# KiCad board Clavier.kicad_pcb (continued)
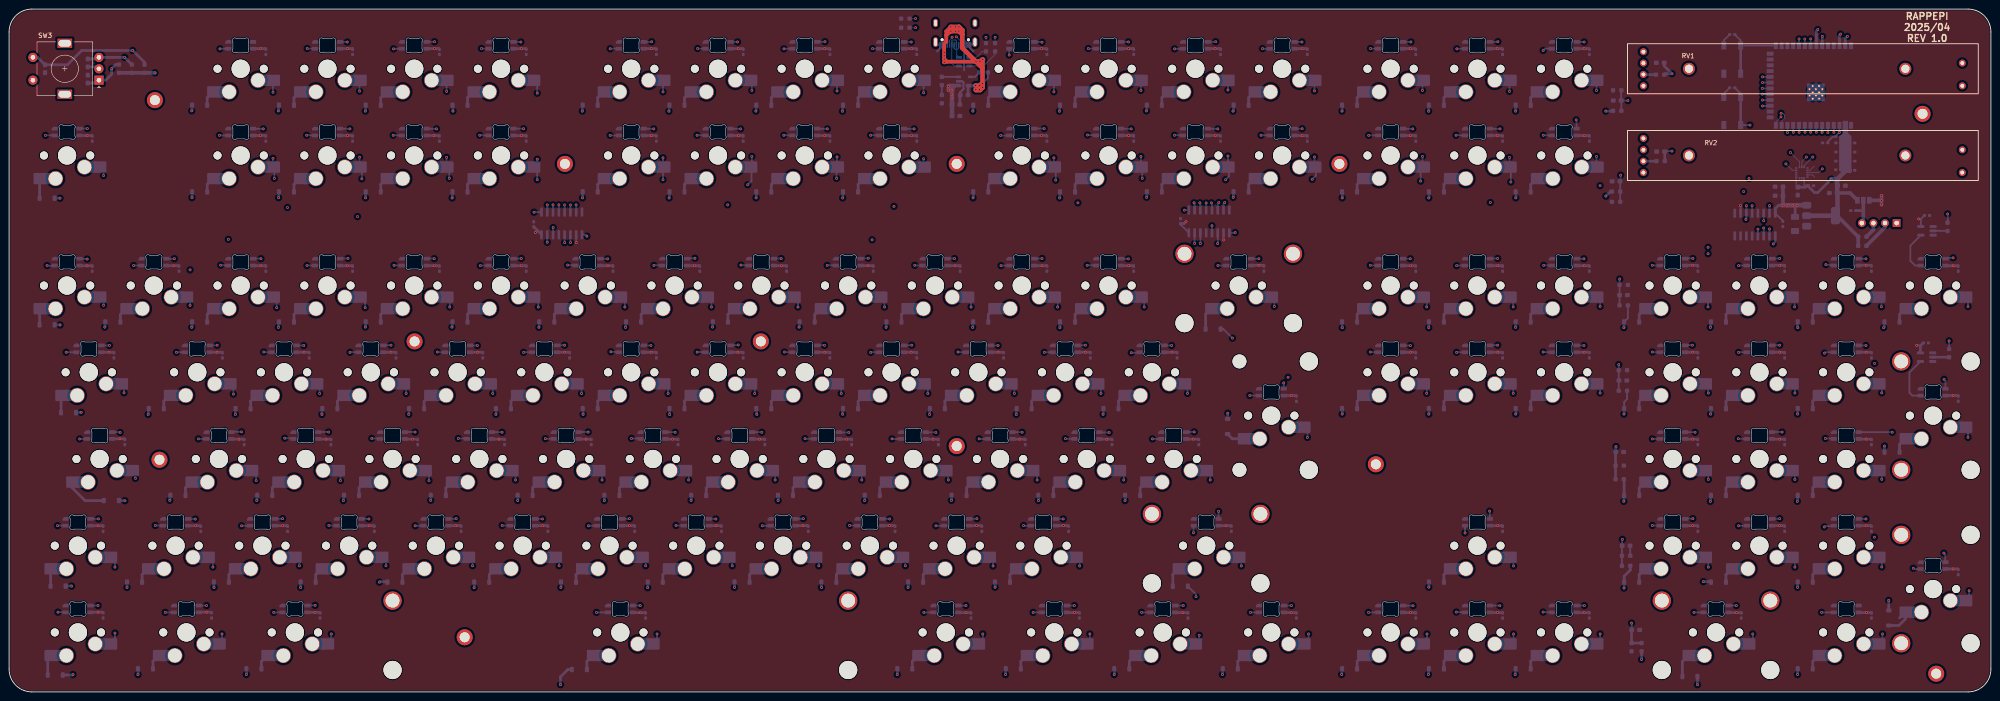
[diagram p0: board, top side]
## Nets (continued)
GND: C1.1 C2.1 C3.1 C4.1 C5.1 C6.1 C7.1 C8.1 C9.1 C10.1 C11.1 C12.1 C13.1 C14.1 C15.1 C16.1 C17.1 C18.1 C19.1 C20.1 C21.1 C22.1 C23.1 C24.1 C25.1 C26.1 C27.1 C28.1 C29.1 C30.1 C31.1 C32.1 C33.1 C34.1 C35.1 C36.1 C37.1 C38.1 C39.1 C40.1 C41.1 C42.1 C43.1 C44.1 C45.1 C46.1 C47.1 C48.1 C49.1 C50.1 C51.1 C52.1 C53.1 C54.1 C55.1 C56.1 C57.1 C58.1 C59.1 C60.1 C61.1 C62.1 C63.1 C64.1 C65.1 C66.1 C67.1 C68.1 C69.1 C70.1 C71.1 C72.1 C73.1 C74.1 C75.1 C76.1 C77.1 C78.1 C79.1 C80.1 C81.1 C82.1 C83.1 C84.1 C85.1 C86.1 C87.1 C88.1 C89.1 C90.1 C91.1 C92.1 C93.1 C94.1 C95.1 C96.1 C97.1 C98.1 C99.1 C100.1 C101.1 C102.1 C103.1 C104.1 C105.1 C106.1 C107.1 C108.1 C109.1 C110.1 C111.1 C112.1 C113.1 C114.1 C115.1 C116.1 C117.1 C118.1 C119.1 C120.1 C121.2 C122.2 C123.2 C124.2 C125.2 C126.2 C127.2 C128.2 C129.2 C130.2 C131.2 C132.2 C133.2 C134.2 C135.1 C136.1 C137.1 C138.2 C139.2 C140.2 C141.2 C142.2 C143.2 C144.2 C145.2 C146.2 C147.2 C148.2 C149.2 C150.1 C151.1 C152.2 C153.2 C154.2 C155.2 C156.2 C157.2 C158.2 C159.2 H1.1 H2.1 H3.1 H4.1 H5.1 H6.1 H7.1 H8.1 H9.1 H10.1 H11.1 H12.1 J1.A1 J1.A12 J1.B1 J1.B12 J1.S1 J2.1 LED1.4 LED2.4 LED3.4 LED4.4 LED5.4 LED6.4 LED7.4 LED8.4 LED9.4 LED10.4 LED11.4 LED12.4 LED13.4 LED14.4 LED15.4 LED16.4 LED17.4 LED18.4 LED19.4 LED20.4 LED21.4 LED22.4 LED23.4 LED24.4 LED25.4 LED26.4 LED27.4 LED28.4 LED29.4 LED30.4 LED31.4 LED32.4 LED33.4 LED34.4 LED35.4 LED36.4 LED37.4 LED38.4 LED39.4 LED40.4 LED41.4 LED42.4 LED43.4 LED44.4 LED45.4 LED46.4 LED47.4 LED48.4 LED49.4 LED50.4 LED51.4 LED52.4 LED53.4 LED54.4 LED55.4 LED56.4 LED57.4 LED58.4 LED59.4 LED60.4 LED61.4 LED62.4 LED63.4 LED64.4 LED65.4 LED66.4 LED67.4 LED68.4 LED69.4 LED70.4 LED71.4 LED72.4 LED73.4 LED74.4 LED75.4 LED76.4 LED77.4 LED78.4 LED79.4 LED80.4 LED81.4 LED82.4 LED83.4 LED84.4 LED85.4 LED86.4 LED87.4 LED88.4 LED89.4 LED90.4 LED91.4 LED92.4 LED93.4 LED94.4 LED95.4 LED96.4 LED97.4 LED98.4 LED99.4 LED100.4 LED101.4 LED102.4 LED103.4 LED104.4 LED105.4 LED106.4 LED107.4 LED108.4 LED109.4 LED110.4 LED111.4 LED112.4 LED113.4 LED114.4 LED115.4 LED116.4 LED117.4 LED118.4 LED119.4 LED120.4 R2.1 R3.1 R6.2 R8.2 R10.2 R12.2 R14.2 R16.2 R18.2 R29.2 RV1.4 RV1.MP RV2.4 RV2.MP SW1.1 SW2.1 SW3.C SW3.MP SW3.S2 U1.1 U1.40 U1.41 U2.1 U3.8 U3.13 U4.8 U4.13 U5.8 U5.13 U6.2 U7.1 U7.3 U8.1 U8.3 U10.5 U10.10 U10.12 U11.2
ACCEL_INT1: U1.4 U10.11
BOOT: C129.1 SW1.2 U1.27
Column 1: MX16.1 MX32.1 MX53.1 MX74.1 MX90.1 MX108.1 U3.15
Column 2: MX33.1 MX54.1 MX75.1 MX91.1 MX109.1 U3.1
Column 3: MX1.1 MX17.1 MX34.1 MX55.1 MX76.1 MX92.1 MX110.1 U3.2
Column 4: MX2.1 MX18.1 MX35.1 MX56.1 MX77.1 MX93.1 U3.3
Column 5: MX3.1 MX19.1 MX36.1 MX57.1 MX78.1 MX94.1 U3.4
Column 6: MX4.1 MX20.1 MX37.1 MX58.1 MX79.1 MX95.1 U3.5
Column 7: MX5.1 MX21.1 MX38.1 MX59.1 MX80.1 MX96.1 MX111.1 U3.6
Column 8: MX6.1 MX22.1 MX39.1 MX60.1 MX81.1 MX97.1 U3.7
Column 9: MX7.1 MX23.1 MX40.1 MX61.1 MX82.1 MX98.1 U4.15
Column 10: MX8.1 MX24.1 MX41.1 MX62.1 MX83.1 MX99.1 U4.1
Column 11: MX9.1 MX25.1 MX42.1 MX63.1 MX84.1 MX100.1 MX112.1 U4.2
Column 12: MX10.1 MX26.1 MX43.1 MX64.1 MX85.1 MX101.1 MX113.1 U4.3
Column 13: MX11.1 MX27.1 MX44.1 MX65.1 MX86.1 MX102.1 MX114.1 U4.4
Column 14: MX12.1 MX28.1 MX45.1 MX66.1 MX115.1 U4.5
Column 15: MX13.1 MX29.1 MX46.1 MX67.1 MX116.1 U4.6
Column 16: MX14.1 MX30.1 MX47.1 MX68.1 MX103.1 MX117.1 U4.7
Column 17: MX15.1 MX31.1 MX48.1 MX69.1 MX118.1 U5.15
Column 18: MX49.1 MX70.1 MX87.1 MX104.1 MX119.1 U5.1
Column 19: MX50.1 MX71.1 MX88.1 MX105.1 U5.2
Column 20: MX51.1 MX72.1 MX89.1 MX106.1 MX120.1 U5.3
Column 21: MX52.1 MX73.1 MX107.1 U5.4
D+: R20.1 U1.14
D-: R21.1 U1.13
EN: C121.1 C130.1 R1.2 SW2.2 U1.3
GPIO1: J2.3 R26.2 U1.39
GPIO2: J2.2 R31.2 U1.38
LED Data 1: R19.2 U1.35
LED Data 2: R22.2 U1.34
POT 1: C148.1 R4.1 U1.18
POT 2: C149.1 R27.2 U1.17
RE_A: C139.1 R24.1 SW3.A U1.33
RE_B: C140.1 R25.1 SW3.B U1.32
RE_S: C138.1 R23.2 SW3.S1 U1.31
Row 1: C141.1 R5.2 R6.1 U1.22
Row 2: C142.1 R7.2 R8.1 U1.21
Row 3: C143.1 R9.2 R10.1 U1.20
Row 4: C144.1 R11.2 R12.1 U1.19
Row 5: C145.1 R13.2 R14.1 U1.12
Row 6: C146.1 R15.2 R16.1 U1.11
Row 7: C147.1 R17.2 R18.1 U1.10
SPI_CLK: U1.8 U3.11 U4.11 U5.11 U10.4
SPI_CS_ACCEL: U1.5 U10.8
SPI_CS_SR: U1.7 U3.12 U4.12 U5.12
SPI_MISO: U1.6 U10.7
SPI_MOSI: U1.9 U3.14 U10.6
Net-(D1-A): D1.2 MX1.2
Net-(D1-K): D1.1 D2.1 D3.1 D4.1 D5.1 D6.1 D7.1 D8.1 D9.1 D10.1 D11.1 D12.1 D13.1 D14.1 D15.1 R5.1
Net-(D2-A): D2.2 MX2.2
Net-(D3-A): D3.2 MX3.2
Net-(D4-A): D4.2 MX4.2
Net-(D5-A): D5.2 MX5.2
Net-(D6-A): D6.2 MX6.2
Net-(D7-A): D7.2 MX7.2
Net-(D8-A): D8.2 MX8.2
Net-(D9-A): D9.2 MX9.2
Net-(D10-A): D10.2 MX10.2
Net-(D11-A): D11.2 MX11.2
Net-(D12-A): D12.2 MX12.2
Net-(D13-A): D13.2 MX13.2
Net-(D14-A): D14.2 MX14.2
Net-(D15-A): D15.2 MX15.2
Net-(D16-A): D16.2 MX16.2
Net-(D16-K): D16.1 D17.1 D18.1 D19.1 D20.1 D21.1 D22.1 D23.1 D24.1 D25.1 D26.1 D27.1 D28.1 D29.1 D30.1 D31.1 R7.1
Net-(D17-A): D17.2 MX17.2
Net-(D18-A): D18.2 MX18.2
Net-(D19-A): D19.2 MX19.2
Net-(D20-A): D20.2 MX20.2
Net-(D21-A): D21.2 MX21.2
Net-(D22-A): D22.2 MX22.2
Net-(D23-A): D23.2 MX23.2
Net-(D24-A): D24.2 MX24.2
Net-(D25-A): D25.2 MX25.2
Net-(D26-A): D26.2 MX26.2
Net-(D27-A): D27.2 MX27.2
Net-(D28-A): D28.2 MX28.2
Net-(D29-A): D29.2 MX29.2
Net-(D30-A): D30.2 MX30.2
Net-(D31-A): D31.2 MX31.2
Net-(D32-A): D32.2 MX32.2
Net-(D32-K): D32.1 D33.1 D34.1 D35.1 D36.1 D37.1 D38.1 D39.1 D40.1 D41.1 D42.1 D43.1 D44.1 D45.1 D46.1 D47.1 D48.1 D49.1 D50.1 D51.1 D52.1 R9.1
Net-(D33-A): D33.2 MX33.2
Net-(D34-A): D34.2 MX34.2
Net-(D35-A): D35.2 MX35.2
Net-(D36-A): D36.2 MX36.2
Net-(D37-A): D37.2 MX37.2
Net-(D38-A): D38.2 MX38.2
Net-(D39-A): D39.2 MX39.2
Net-(D40-A): D40.2 MX40.2
Net-(D41-A): D41.2 MX41.2
Net-(D42-A): D42.2 MX42.2
Net-(D43-A): D43.2 MX43.2
Net-(D44-A): D44.2 MX44.2
Net-(D45-A): D45.2 MX45.2
Net-(D46-A): D46.2 MX46.2
Net-(D47-A): D47.2 MX47.2
Net-(D48-A): D48.2 MX48.2
Net-(D49-A): D49.2 MX49.2
Net-(D50-A): D50.2 MX50.2
Net-(D51-A): D51.2 MX51.2
Net-(D52-A): D52.2 MX52.2
Net-(D53-A): D53.2 MX53.2
Net-(D53-K): D53.1 D54.1 D55.1 D56.1 D57.1 D58.1 D59.1 D60.1 D61.1 D62.1 D63.1 D64.1 D65.1 D66.1 D67.1 D68.1 D69.1 D70.1 D71.1 D72.1 D73.1 R11.1
Net-(D54-A): D54.2 MX54.2
Net-(D55-A): D55.2 MX55.2
Net-(D56-A): D56.2 MX56.2
Net-(D57-A): D57.2 MX57.2
Net-(D58-A): D58.2 MX58.2
Net-(D59-A): D59.2 MX59.2
Net-(D60-A): D60.2 MX60.2
Net-(D61-A): D61.2 MX61.2
Net-(D62-A): D62.2 MX62.2
Net-(D63-A): D63.2 MX63.2
Net-(D64-A): D64.2 MX64.2
Net-(D65-A): D65.2 MX65.2
Net-(D66-A): D66.2 MX66.2
Net-(D67-A): D67.2 MX67.2
Net-(D68-A): D68.2 MX68.2
Net-(D69-A): D69.2 MX69.2
Net-(D70-A): D70.2 MX70.2
Net-(D71-A): D71.2 MX71.2
Net-(D72-A): D72.2 MX72.2
Net-(D73-A): D73.2 MX73.2
Net-(D74-A): D74.2 MX74.2
Net-(D74-K): D74.1 D75.1 D76.1 D77.1 D78.1 D79.1 D80.1 D81.1 D82.1 D83.1 D84.1 D85.1 D86.1 D87.1 D88.1 D89.1 R13.1
Net-(D75-A): D75.2 MX75.2
Net-(D76-A): D76.2 MX76.2
Net-(D77-A): D77.2 MX77.2
Net-(D78-A): D78.2 MX78.2
Net-(D79-A): D79.2 MX79.2
Net-(D80-A): D80.2 MX80.2
Net-(D81-A): D81.2 MX81.2
Net-(D82-A): D82.2 MX82.2
Net-(D83-A): D83.2 MX83.2
Net-(D84-A): D84.2 MX84.2
Net-(D85-A): D85.2 MX85.2
Net-(D86-A): D86.2 MX86.2
Net-(D87-A): D87.2 MX87.2
Net-(D88-A): D88.2 MX88.2
Net-(D89-A): D89.2 MX89.2
Net-(D90-A): D90.2 MX90.2
Net-(D91-A): D91.2 MX91.2
Net-(D92-A): D92.2 MX92.2
Net-(D93-A): D93.2 MX93.2
Net-(D94-A): D94.2 MX94.2
Net-(D95-A): D95.2 MX95.2
Net-(D96-A): D96.2 MX96.2
Net-(D97-A): D97.2 MX97.2
Net-(D98-A): D98.2 MX98.2
Net-(D99-A): D99.2 MX99.2
Net-(D100-A): D100.2 MX100.2
Net-(D100-K): D90.1 D91.1 D92.1 D93.1 D94.1 D95.1 D96.1 D97.1 D98.1 D99.1 D100.1 D101.1 D102.1 D103.1 D104.1 D105.1 D106.1 D107.1 R15.1
Net-(D101-A): D101.2 MX101.2
Net-(D102-A): D102.2 MX102.2
Net-(D103-A): D103.2 MX103.2
Net-(D104-A): D104.2 MX104.2
Net-(D105-A): D105.2 MX105.2
Net-(D106-A): D106.2 MX106.2
Net-(D107-A): D107.2 MX107.2
Net-(D108-A): D108.2 MX108.2
Net-(D108-K): D108.1 D109.1 D110.1 D111.1 D112.1 D113.1 D114.1 D115.1 D116.1 D117.1 D118.1 D119.1 D120.1 R17.1
Net-(D109-A): D109.2 MX109.2
Net-(D110-A): D110.2 MX110.2
Net-(D111-A): D111.2 MX111.2
Net-(D112-A): D112.2 MX112.2
Net-(D113-A): D113.2 MX113.2
Net-(D114-A): D114.2 MX114.2
Net-(D115-A): D115.2 MX115.2
Net-(D116-A): D116.2 MX116.2
Net-(D117-A): D117.2 MX117.2
Net-(D118-A): D118.2 MX118.2
Net-(D119-A): D119.2 MX119.2
Net-(D120-A): D120.2 MX120.2
Net-(J1-CC1): J1.A5 R2.2
Net-(J1-CC2): J1.B5 R3.2
Net-(J1-D+-PadA6): J1.A6 J1.B6 U6.3
Net-(J1-D--PadA7): J1.A7 J1.B7 U6.1
Net-(J2-Pin_4): C159.1 J2.4 JP1.2
Net-(LED1-DIN): LED1.3 LED2.2
Net-(LED2-DIN): LED2.3 LED3.2
Net-(LED3-DIN): LED3.3 LED4.2
Net-(LED4-DIN): LED4.3 LED5.2
Net-(LED5-DIN): LED5.3 LED6.2
Net-(LED6-DIN): LED6.3 LED7.2
Net-(LED7-DIN): LED7.3 LED8.2
Net-(LED8-DIN): LED8.3 LED9.2
Net-(LED10-DIN): LED10.3 LED11.2
Net-(LED10-DOUT): LED9.3 LED10.2
Net-(LED11-DIN): LED11.3 LED12.2
Net-(LED12-DIN): LED12.3 LED13.2
Net-(LED13-DIN): LED13.3 LED14.2
Net-(LED14-DIN): LED14.3 LED15.2
Net-(LED15-DIN): LED15.3 LED31.2
Net-(LED16-DIN): LED16.3 LED32.2
Net-(LED16-DOUT): LED16.2 LED17.3
Net-(LED17-DOUT): LED17.2 LED18.3
Net-(LED18-DOUT): LED18.2 LED19.3
Net-(LED19-DOUT): LED19.2 LED20.3
Net-(LED20-DOUT): LED20.2 LED21.3
Net-(LED21-DOUT): LED21.2 LED22.3
Net-(LED22-DOUT): LED22.2 LED23.3
Net-(LED23-DOUT): LED23.2 LED24.3
Net-(LED24-DOUT): LED24.2 LED25.3
Net-(LED25-DOUT): LED25.2 LED26.3
Net-(LED26-DOUT): LED26.2 LED27.3
Net-(LED27-DOUT): LED27.2 LED28.3
Net-(LED28-DOUT): LED28.2 LED29.3
Net-(LED29-DOUT): LED29.2 LED30.3
Net-(LED30-DOUT): LED30.2 LED31.3
Net-(LED32-DIN): LED32.3 LED33.2
Net-(LED33-DIN): LED33.3 LED34.2
Net-(LED34-DIN): LED34.3 LED35.2
Net-(LED35-DIN): LED35.3 LED36.2
Net-(LED36-DIN): LED36.3 LED37.2
Net-(LED37-DIN): LED37.3 LED38.2
Net-(LED38-DIN): LED38.3 LED39.2
Net-(LED39-DIN): LED39.3 LED40.2
Net-(LED40-DIN): LED40.3 LED41.2
Net-(LED41-DIN): LED41.3 LED42.2
Net-(LED42-DIN): LED42.3 LED43.2
Net-(LED43-DIN): LED43.3 LED44.2
Net-(LED44-DIN): LED44.3 LED45.2
Net-(LED45-DIN): LED45.3 LED46.2
Net-(LED46-DIN): LED46.3 LED47.2
Net-(LED47-DIN): LED47.3 LED48.2
Net-(LED48-DIN): LED48.3 LED49.2
Net-(LED49-DIN): LED49.3 LED50.2
Net-(LED50-DIN): LED50.3 LED51.2
Net-(LED51-DIN): LED51.3 LED52.2
Net-(LED52-DIN): LED52.3 U7.4
Net-(LED53-DIN): LED53.3 LED54.2
Net-(LED53-DOUT): LED53.2 LED74.3
Net-(LED54-DIN): LED54.3 LED55.2
Net-(LED55-DIN): LED55.3 LED56.2
Net-(LED56-DIN): LED56.3 LED57.2
Net-(LED57-DIN): LED57.3 LED58.2
Net-(LED58-DIN): LED58.3 LED59.2
Net-(LED59-DIN): LED59.3 LED60.2
Net-(LED60-DIN): LED60.3 LED61.2
Net-(LED61-DIN): LED61.3 LED62.2
Net-(LED62-DIN): LED62.3 LED63.2
Net-(LED63-DIN): LED63.3 LED64.2
Net-(LED64-DIN): LED64.3 LED65.2
Net-(LED65-DIN): LED65.3 LED66.2
Net-(LED66-DIN): LED66.3 LED67.2
Net-(LED67-DIN): LED67.3 LED68.2
Net-(LED68-DIN): LED68.3 LED69.2
Net-(LED69-DIN): LED69.3 LED70.2
Net-(LED70-DIN): LED70.3 LED71.2
Net-(LED71-DIN): LED71.3 LED72.2
Net-(LED72-DIN): LED72.3 LED73.2
Net-(LED73-DIN): LED73.3 U8.4
Net-(LED74-DOUT): LED74.2 LED75.3
Net-(LED75-DOUT): LED75.2 LED76.3
Net-(LED76-DOUT): LED76.2 LED77.3
Net-(LED77-DOUT): LED77.2 LED78.3
Net-(LED78-DOUT): LED78.2 LED79.3
Net-(LED79-DOUT): LED79.2 LED80.3
Net-(LED80-DOUT): LED80.2 LED81.3
Net-(LED81-DOUT): LED81.2 LED82.3
Net-(LED82-DOUT): LED82.2 LED83.3
Net-(LED83-DOUT): LED83.2 LED84.3
Net-(LED84-DOUT): LED84.2 LED85.3
Net-(LED85-DOUT): LED85.2 LED86.3
Net-(LED86-DOUT): LED86.2 LED87.3
Net-(LED87-DOUT): LED87.2 LED88.3
Net-(LED88-DOUT): LED88.2 LED89.3
Net-(LED90-DIN): LED90.3 LED91.2
Net-(LED91-DIN): LED91.3 LED92.2
Net-(LED92-DIN): LED92.3 LED93.2
Net-(LED93-DIN): LED93.3 LED94.2
Net-(LED94-DIN): LED94.3 LED95.2
Net-(LED95-DIN): LED95.3 LED96.2
Net-(LED96-DIN): LED96.3 LED97.2
Net-(LED97-DIN): LED97.3 LED98.2
Net-(LED98-DIN): LED98.3 LED99.2
Net-(LED100-DIN): LED100.3 LED101.2
Net-(LED100-DOUT): LED99.3 LED100.2
Net-(LED101-DIN): LED101.3 LED102.2
Net-(LED102-DIN): LED102.3 LED103.2
Net-(LED103-DIN): LED103.3 LED104.2
Net-(LED104-DIN): LED104.3 LED105.2
Net-(LED105-DIN): LED105.3 LED106.2
Net-(LED106-DIN): LED106.3 LED107.2
Net-(LED107-DIN): LED89.2 LED107.3
Net-(LED108-DIN): LED90.2 LED108.3
Net-(LED108-DOUT): LED108.2 LED109.3
Net-(LED109-DOUT): LED109.2 LED110.3
Net-(LED110-DOUT): LED110.2 LED111.3
Net-(LED111-DOUT): LED111.2 LED112.3
Net-(LED112-DOUT): LED112.2 LED113.3
Net-(LED113-DOUT): LED113.2 LED114.3
Net-(LED114-DOUT): LED114.2 LED115.3
Net-(LED115-DOUT): LED115.2 LED116.3
Net-(LED116-DOUT): LED116.2 LED117.3
Net-(LED117-DOUT): LED117.2 LED118.3
Net-(LED118-DOUT): LED118.2 LED119.3
Net-(LED119-DOUT): LED119.2 LED120.3
Net-(R4-Pad2): R4.2 RV1.5
Net-(R19-Pad1): R19.1 U7.2
Net-(R20-Pad2): R20.2 U6.4
Net-(R21-Pad2): R21.2 U6.6
Net-(R22-Pad1): R22.1 U8.2
Net-(R27-Pad1): R27.1 RV2.5
Net-(R28-Pad2): R28.2 R29.1
Net-(U3-QH'): U3.9 U4.14
Net-(U4-QH'): U4.9 U5.14
Net-(U11-EN): R30.1 U11.4
Net-(U11-SET): R28.1 U11.3
Net-(U11-VIN): C131.1 J1.A4 J1.A9 J1.B4 J1.B9 R30.2 U6.5 U11.5

Pads without a net: J1 A8 B8; LED1 2; LED120 2; RV1 1 2 3; RV2 1 2 3; U1 15 16 23 24 25 26 28 29 30 36 37; U5 5 6 7 9; U10 2 3 9 13 15 16

## Via types
v1: diameter 0.6, hole 0.3, Top to Bottom, 753 vias

## Routing (per net, layer and track width the routed paths; a pad name or vN(x,y) marks a point on that pad's centre or on a via; arc(x,y) is an arc through that point)
+3.3V: length 488.3
  In1.Cu w0.8: v1(32.01,136) 34.3,136 41.5,128.8 356.38,128.8 362.77,122.41 362.77,114.03 364,112.8 v1(381.91,112.8)
  In2.Cu w0.8: RV1.6 431,130.87 431,116.37 RV2.6 407.59,114.09 406.15,112.65 v1(399.95,112.65) 399.8,112.8 v1(381.91,112.8)
  Bottom w0.28: 394.2,111.17 394,111.37 U10.14 ; C158.1 392.28,111.19 U10.1
  Bottom w0.6: v1(399.95,112.65) 397,109.7 396.27,109.7 394.93,111.04 C134.1 394.53,111.2 394.2,110.86 C158.1 392.91,111.17
  Bottom w0.8: U2.2 401.26,104.61 R26.1 R31.1 ; v1(32.01,136) R23.1 R24.2 ; JP1.1 404.1,109.6 C156.1
  Bottom w1: 401.27,112.65 401.27,109.75 401.33,109.69 401.33,105.06 U2.2 U2.2 ; 401.27,112.65 v1(399.95,112.65) ; 401.27,112.65 402.73,114.11 402.73,114.51 403.13,114.51 403.21,114.6 C122.1
+5V: length 388.2
  Bottom w0.4: v1(380.05,106.83) 380.05,105.21 ; U7.5 419.63,103.88 ; 419.63,103.88 C150.2 ; 419.63,103.88 419.59,103.91 v1(419.13,103.91) ; 124.49,100.33 124.48,100.34 124.48,98.73 v1(124.49,98.71) ; 419.53,76.03 419.45,76.11 v1(418.73,76.11) ; 266.57,100.86 266.57,99.31 ; 258.94,100.88 257.13,102.69 C136.2 ; 207.03,132.11 v1(206.93,132.21) ; 387.67,105.14 389.33,103.48 C137.2
  Bottom w0.6: 265.83,141.21 265.71,141.33 v1(264.74,141.33) 263.03,141.33 ; 153.43,36.53 v1(155.14,36.53) 156.11,36.53 156.23,36.41 ; 408.73,55.41 408.61,55.53 v1(407.64,55.53) 405.93,55.53 ; 72.63,141.33 v1(74.34,141.33) 75.31,141.33 75.43,141.21 ; 387.67,105.14 387.67,106.16 388.43,106.91 389.13,106.91 ; 142.03,141.21 141.91,141.33 v1(140.94,141.33) 139.23,141.33 ; 346.81,122.1 346.7,122.21 v1(345.73,122.21) 344.01,122.21 ; 177.33,141.33 v1(179.04,141.33) 180.01,141.33 180.13,141.21 ; 63.03,74.63 v1(64.74,74.63) 65.71,74.63 65.83,74.51 ; 17.83,17.41 17.83,17.46 LED108.1 ; 325.03,93.63 v1(326.74,93.63) 327.71,93.63 327.83,93.51 ; 94.43,141.21 94.31,141.33 v1(93.34,141.33) 91.63,141.33 ; 101.13,74.63 v1(102.84,74.63) 103.81,74.63 103.93,74.51 ; 370.63,93.61 370.51,93.73 v1(369.54,93.73) 367.83,93.73 ; 194.33,36.41 194.21,36.53 v1(193.24,36.53) 191.53,36.53 ; 175.33,36.41 175.21,36.53 v1(174.24,36.53) 172.53,36.53 ; 408.73,93.61 408.61,93.73 v1(407.64,93.73) 405.93,93.73 ; 279.71,17.41 v1(281.43,17.41) 282.4,17.41 282.51,17.3 ; 244.03,122.23 v1(245.74,122.23) 246.71,122.23 246.83,122.11 ; 380.21,17.3 380.1,17.41 v1(379.13,17.41) 377.41,17.41 ; 389.73,93.61 389.61,93.73 v1(388.64,93.73) 386.93,93.73 ; 110.71,122.21 v1(112.43,122.21) 113.4,122.21 113.51,122.1 ; 127.73,55.41 127.61,55.53 v1(126.64,55.53) 124.93,55.53 ; v1(258.33,103.31) 257.9,102.89 257.1,102.89 ; 258.23,55.53 v1(259.94,55.53) 260.91,55.53 261.03,55.41 ; 246.83,141.21 246.71,141.33 v1(245.74,141.33) 244.03,141.33 ; 232.53,36.41 232.41,36.53 v1(231.44,36.53) 229.73,36.53 ; 210.63,36.53 v1(212.34,36.53) 213.31,36.53 213.43,36.41 ; 167.83,93.63 v1(169.54,93.63) 170.51,93.63 170.63,93.51 ; 242.03,55.41 241.91,55.53 v1(240.94,55.53) 239.23,55.53 ; 136.81,17.41 v1(138.53,17.41) 139.5,17.41 139.61,17.3 ; 180.13,122.11 180.01,122.23 v1(179.04,122.23) 177.33,122.23 ; 120.23,74.63 v1(121.94,74.63) 122.91,74.63 123.03,74.51 ; 139.23,122.23 v1(140.94,122.23) 141.91,122.23 142.03,122.11 ; 392.03,104.38 392.03,106.71 392.23,106.91 ; 279.71,65.11 v1(281.43,65.11) 282.4,65.11 282.51,65 ; 91.63,93.63 v1(93.34,93.63) 94.31,93.63 94.43,93.51 ; 22.61,55.61 v1(24.33,55.61) 25.3,55.61 25.41,55.5 ; 344.03,74.63 v1(345.74,74.63) 346.71,74.63 346.83,74.51 ; 265.41,36.51 v1(267.13,36.51) 268.1,36.51 268.21,36.4 ; 115.98,101.36 116.86,100.48 116.86,100.45 ; 115.98,101.36 v1(115.53,100.91) ; 115.98,101.36 115.19,102.15 C135.2 ; 146.73,55.41 146.61,55.53 v1(145.64,55.53) 143.93,55.53 ; 82.03,74.63 v1(83.74,74.63) 84.71,74.63 84.83,74.51 ; 139.23,74.63 v1(140.94,74.63) 141.91,74.63 142.03,74.51 ; 370.63,36.41 370.51,36.53 v1(369.54,36.53) 367.83,36.53 ; 253.53,74.63 v1(255.24,74.63) 256.21,74.63 256.33,74.51 ; 91.53,122.23 v1(93.24,122.23) 94.21,122.23 94.33,122.11 ; 56.33,93.51 56.21,93.63 v1(55.24,93.63) 53.53,93.63 ; 227.83,93.51 227.71,93.63 v1(226.74,93.63) 225.03,93.63 ; 105.83,55.53 v1(107.54,55.53) 108.51,55.53 108.63,55.41 ; 96.33,36.53 v1(98.04,36.53) 99.01,36.53 99.13,36.41 ; 118.23,36.41 118.11,36.53 v1(117.14,36.53) 115.43,36.53 ; 43.93,74.63 v1(45.64,74.63) 46.61,74.63 46.73,74.51 ; 80.13,36.4 80.01,36.51 v1(79.04,36.51) 77.33,36.51 ; 220.13,55.53 v1(221.84,55.53) 222.81,55.53 222.93,55.41 ; 196.41,141.31 v1(198.13,141.31) 199.1,141.31 199.21,141.2 ; 282.11,122.21 v1(283.83,122.21) 284.8,122.21 284.91,122.1 ; 177.33,74.63 v1(179.04,74.63) 180.01,74.63 180.13,74.51 ; 132.53,93.51 132.41,93.63 v1(131.44,93.63) 129.73,93.63 ; 20.63,17.4 20.51,17.51 v1(19.54,17.51) 17.83,17.51 ; 308.63,141.21 308.51,141.33 v1(307.54,141.33) 305.83,141.33 ; 255.91,17.41 v1(257.63,17.41) 258.6,17.41 258.71,17.3 ; 23.01,74.5 22.9,74.61 v1(21.93,74.61) 20.21,74.61 ; 263.03,122.23 v1(264.74,122.23) 265.71,122.23 265.83,122.11 ; 308.73,17.31 308.61,17.43 v1(307.64,17.43) 305.93,17.43 ; 405.93,36.53 v1(407.64,36.53) 408.61,36.53 408.73,36.41 ; 386.93,74.63 v1(388.64,74.63) 389.61,74.63 389.73,74.51 ; 151.53,93.51 151.41,93.63 v1(150.44,93.63) 148.73,93.63 ; 234.53,74.63 v1(236.24,74.63) 237.21,74.63 237.33,74.51 ; 370.63,55.41 370.51,55.53 v1(369.54,55.53) 367.83,55.53 ; 386.93,36.53 v1(388.64,36.53) 389.61,36.53 389.73,36.41 ; 305.93,93.63 v1(307.64,93.63) 308.61,93.63 308.73,93.51 ; 51.53,55.41 51.41,55.53 v1(50.44,55.53) 48.73,55.53 ; 327.83,74.51 327.71,74.63 v1(326.74,74.63) 325.03,74.63 ; 20.63,36.4 20.51,36.51 v1(19.54,36.51) 17.83,36.51 ; 327.73,122.11 327.61,122.23 v1(326.64,122.23) 324.93,122.23 ; 61.13,36.4 61.01,36.51 v1(60.04,36.51) 58.33,36.51 ; 346.83,93.51 346.71,93.63 v1(345.74,93.63) 344.03,93.63 ; 389.73,55.41 389.61,55.53 v1(388.64,55.53) 386.93,55.53 ; 427.81,65 427.7,65.11 v1(426.73,65.11) 425.01,65.11 ; 346.81,141.21 346.7,141.33 v1(345.73,141.33) 344.01,141.33 ; 70.63,55.41 70.51,55.53 v1(69.54,55.53) 67.83,55.53 ; 406.01,17.41 v1(407.73,17.41) 408.7,17.41 408.81,17.3 ; 427.81,26.9 427.7,27.01 v1(426.73,27.01) 425.01,27.01 ; U8.5 419.53,76.03 C151.2 ; 113.51,141.2 113.4,141.31 v1(112.43,141.31) 110.71,141.31 ; 196.33,74.63 v1(198.04,74.63) 199.01,74.63 199.13,74.51 ; 284.91,141.2 284.8,141.31 v1(283.83,141.31) 282.11,141.31 ; 344.03,17.43 v1(345.74,17.43) 346.71,17.43 346.83,17.31 ; 34.43,93.63 v1(36.14,93.63) 37.11,93.63 37.23,93.51 ; 325.03,17.43 v1(326.74,17.43) 327.71,17.43 327.83,17.31 ; 18.21,93.5 18.1,93.61 v1(17.13,93.61) 15.41,93.61 ; 72.53,122.23 v1(74.24,122.23) 75.21,122.23 75.33,122.11 ; 224.93,141.33 v1(226.64,141.33) 227.61,141.33 227.73,141.21 ; 327.73,141.21 327.61,141.33 v1(326.64,141.33) 324.93,141.33 ; 42.03,36.4 41.91,36.51 v1(40.94,36.51) 39.23,36.51 ; 367.83,74.63 v1(369.54,74.63) 370.51,74.63 370.63,74.51 ; 15.41,122.21 v1(17.13,122.21) 18.1,122.21 18.21,122.1 ; 208.73,93.51 208.61,93.63 v1(207.64,93.63) 205.93,93.63 ; 44.43,17.4 44.31,17.51 v1(43.34,17.51) 41.63,17.51 ; 305.93,74.63 v1(307.64,74.63) 308.61,74.63 308.73,74.51 ; 165.83,55.41 165.71,55.53 v1(164.74,55.53) 163.03,55.53 ; 75.33,93.51 75.21,93.63 v1(74.24,93.63) 72.53,93.63 ; 272.61,93.71 v1(274.33,93.71) 275.3,93.71 275.41,93.6 ; 211.11,17.3 211,17.41 v1(210.03,17.41) 208.31,17.41 ; 305.83,122.23 v1(307.54,122.23) 308.51,122.23 308.63,122.11 ; LED110.1 v1(67.17,17.47) 68.14,17.47 C110.2 ; 408.73,74.51 408.61,74.63 v1(407.64,74.63) 405.93,74.63 ; 110.73,93.63 v1(112.44,93.63) 113.41,93.63 113.53,93.51 ; 53.43,122.23 v1(55.14,122.23) 56.11,122.23 56.23,122.11 ; 134.43,36.53 v1(136.14,36.53) 137.11,36.53 137.23,36.41 ; 56.33,141.21 56.21,141.33 v1(55.24,141.33) 53.53,141.33 ; 325.01,36.51 v1(326.73,36.51) 327.7,36.51 327.81,36.4 ; 161.03,74.51 160.91,74.63 v1(159.94,74.63) 158.23,74.63 ; 196.41,122.21 v1(198.13,122.21) 199.1,122.21 199.21,122.1 ; 425.01,93.61 v1(426.73,93.61) 427.7,93.61 427.81,93.5 ; 158.33,141.33 v1(160.04,141.33) 161.01,141.33 161.13,141.21 ; 186.83,93.63 v1(188.54,93.63) 189.51,93.63 189.63,93.51 ; 244.03,93.63 v1(245.74,93.63) 246.71,93.63 246.83,93.51 ; 232.11,17.41 v1(233.83,17.41) 234.8,17.41 234.91,17.3 ; 215.43,74.63 v1(217.14,74.63) 218.11,74.63 218.23,74.51 ; 184.93,55.41 184.81,55.53 v1(183.84,55.53) 182.13,55.53 ; 161.13,122.11 161.01,122.23 v1(160.04,122.23) 158.33,122.23 ; 224.93,122.23 v1(226.64,122.23) 227.61,122.23 227.73,122.11 ; 89.63,55.41 89.51,55.53 v1(88.54,55.53) 86.83,55.53 ; 201.13,55.53 v1(202.84,55.53) 203.81,55.53 203.93,55.41
  Bottom w0.8: v1(389.43,106.91) 389.36,106.98 C154.1 C153.1 ; v1(411,109) v1(411,107) ; JP1.3 v1(411,108)
  Bottom w1: 389.13,106.91 U2.3 ; C132.1 206.96,132.18 v1(206.93,132.21)
  vias: v1(206.23,133.01) v1(206.23,132.21) v1(206.93,131.21) v1(206.93,130.41) v1(266.58,99.29) v1(390.53,106.91) v1(391.53,106.91) v1(392.53,106.91)
GND: length 32.6
  Bottom w0.2: 396.3,113.1 396.3,113.12 395.84,113.59 U10.12 ; U10.10 395.29,114.59 396.2,115.5 ; 208.69,131.04 C131.2
  Bottom w0.4: 209.63,136.51 209.63,137.98 209.15,138.45 U6.2 209.16,138.45 209.63,138.91 209.63,140.41 ; SW2.1 376.38,131.43 C130.2 ; C129.2 376.38,143.13 SW1.1 ; 203.35,142.77 203.92,142.2 204.32,142.2 204.34,142.21 204.43,142.21 204.43,141.41 203.73,140.71 203.63,140.71 ; 211.73,140.71 211.63,140.71 210.93,141.41 210.93,142.21 211.02,142.21 211.03,142.2 211.43,142.2 212,142.77 ; R16.2 355.84,32.06 C146.2
  Bottom w0.5: 208.13,134.16 209.18,134.16 209.47,133.86 209.47,132.46 208.76,131.75 C131.2
  Bottom w0.6: SW3.C 19.31,137.31 C140.2 ; C133.2 208.69,131.04
ACCEL_INT1: length 14.2
  In1.Cu w0.4: v1(398,114.9) 400.53,117.43 v1(400.53,122.91)
  Bottom w0.2: v1(398,114.9) 397.19,114.09 U10.11 ; 400.5,122.94 v1(400.53,122.91)
  Bottom w0.4: 400.5,124.46 400.5,122.94
BOOT: length 16.9
  Bottom w0.4: U1.27 387.75,142.01 SW1.2 380.08,143.13 C129.1
  Bottom w0.6: SW1.2 SW1.2
Column 1: length 217.9
  In1.Cu w0.4: v1(118.13,98.77) 111.87,98.77 111.23,99.41 v1(48.13,99.41)
  In2.Cu w0.4: 26.63,99.91 47.63,99.91 v1(48.13,99.41) ; 26.63,99.91 20.73,94.01 v1(20.73,84.91) 25.23,80.41 v1(25.23,65.71) 28.23,62.71 28.23,47.41 v1(27.73,46.91) 27.73,31.91 v1(23.23,27.41) v1(23.23,12.91) ; 26.63,99.91 20.73,105.81 v1(20.73,113.41)
  Bottom w0.4: 19.97,115.58 19.97,115.42 20.73,114.66 v1(20.73,113.41) ; v1(23.23,27.41) 23.23,28.82 MX90.1 ; MX32.1 20.73,86.09 v1(20.73,84.91) ; v1(118.13,98.77) 118.13,100.39 ; MX74.1 27.73,48.13 v1(27.73,46.91) ; v1(25.23,65.71) 25.23,67.3 MX53.1 ; v1(23.23,12.91) 23.23,11.29 MX108.1
Column 2: length 185.5
  In1.Cu w0.4: v1(39.73,92.71) 52.43,105.41 115.2,105.41 v1(115.23,105.38)